# Altium PCB MAIN.PcbDoc (part 1 of 2)
Units mm, origin at the board's own origin, x right, y up, seen from the top; angles counter-clockwise.
Board outline 75 x 75 mm, 4 copper layers (L01 - GND, L02 - SIG, L03 - GND, L04 - SIG), stack 1.564 mm thick; 101 components, 97 nets, 439 pads, 291 vias.
Unrouted connection lines stored in the file: 115.
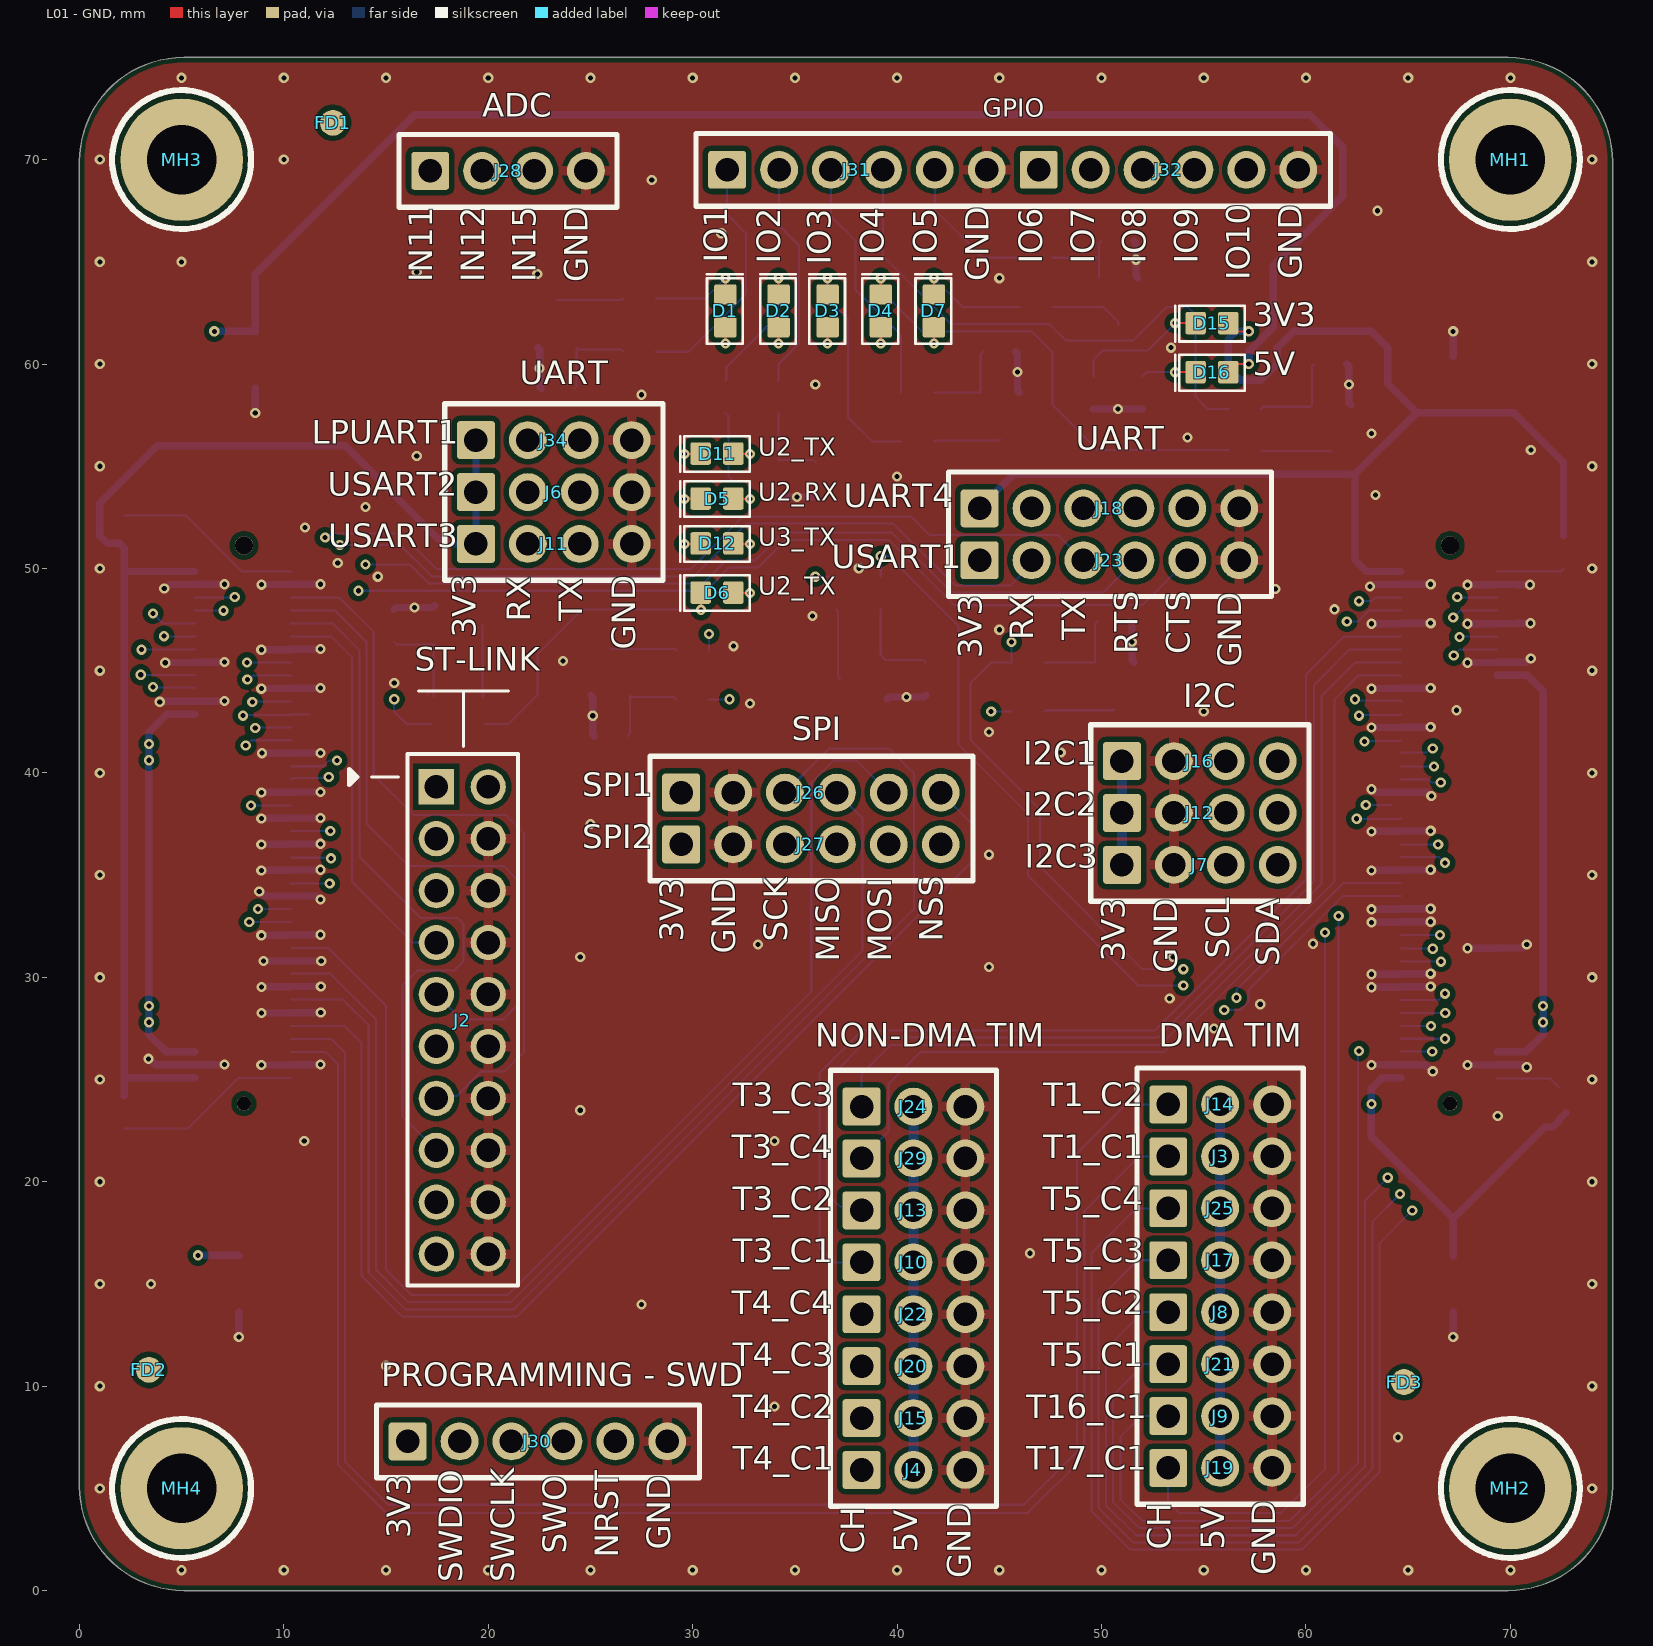
[diagram p0: L01 - GND view]
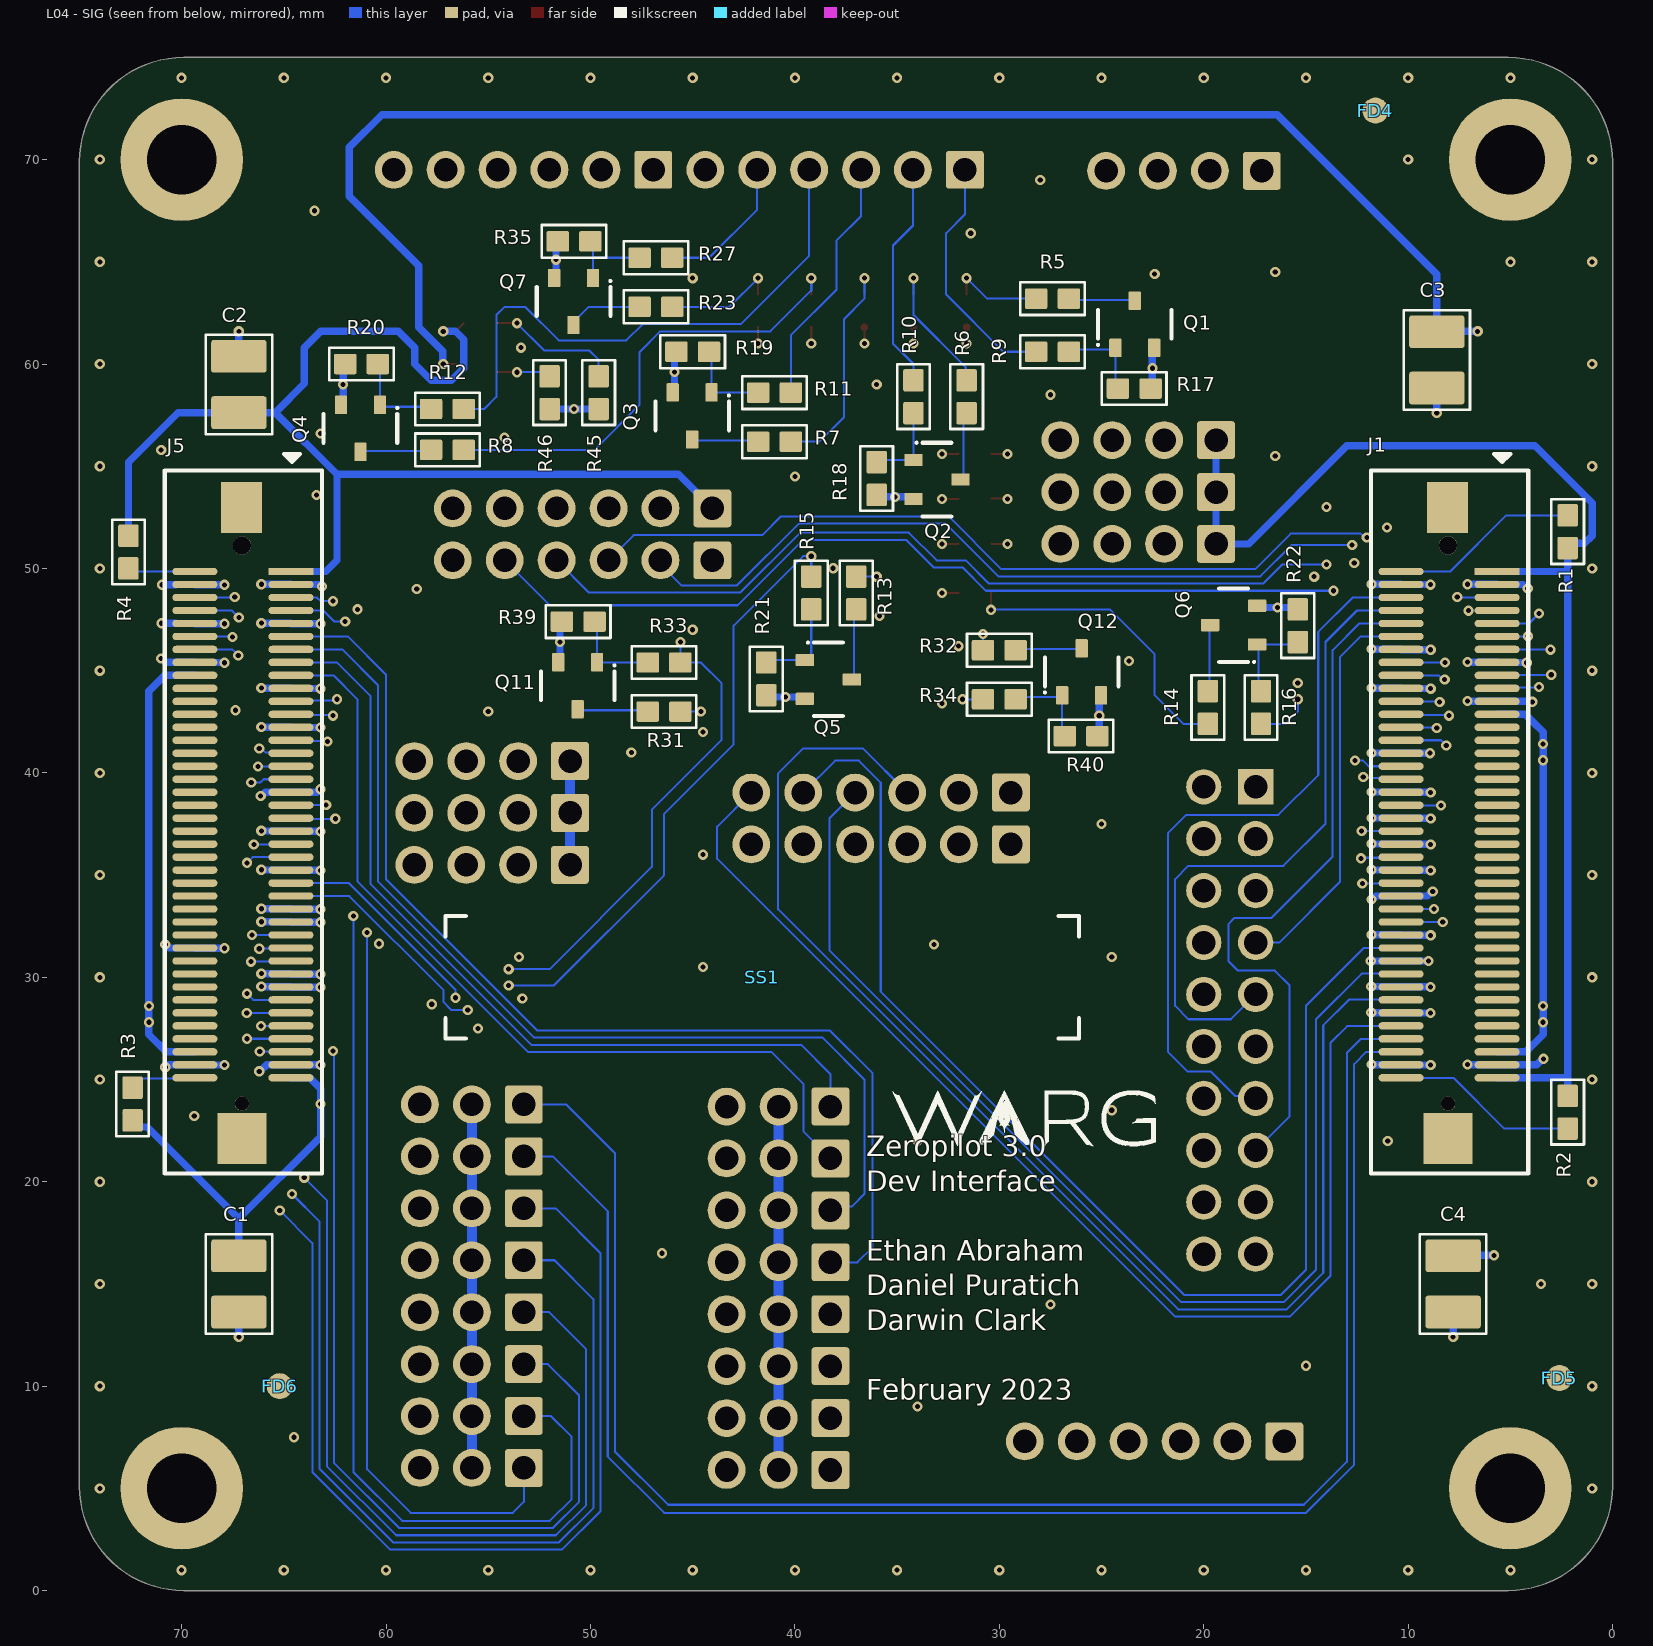
[diagram p1: L04 - SIG view, seen from below]
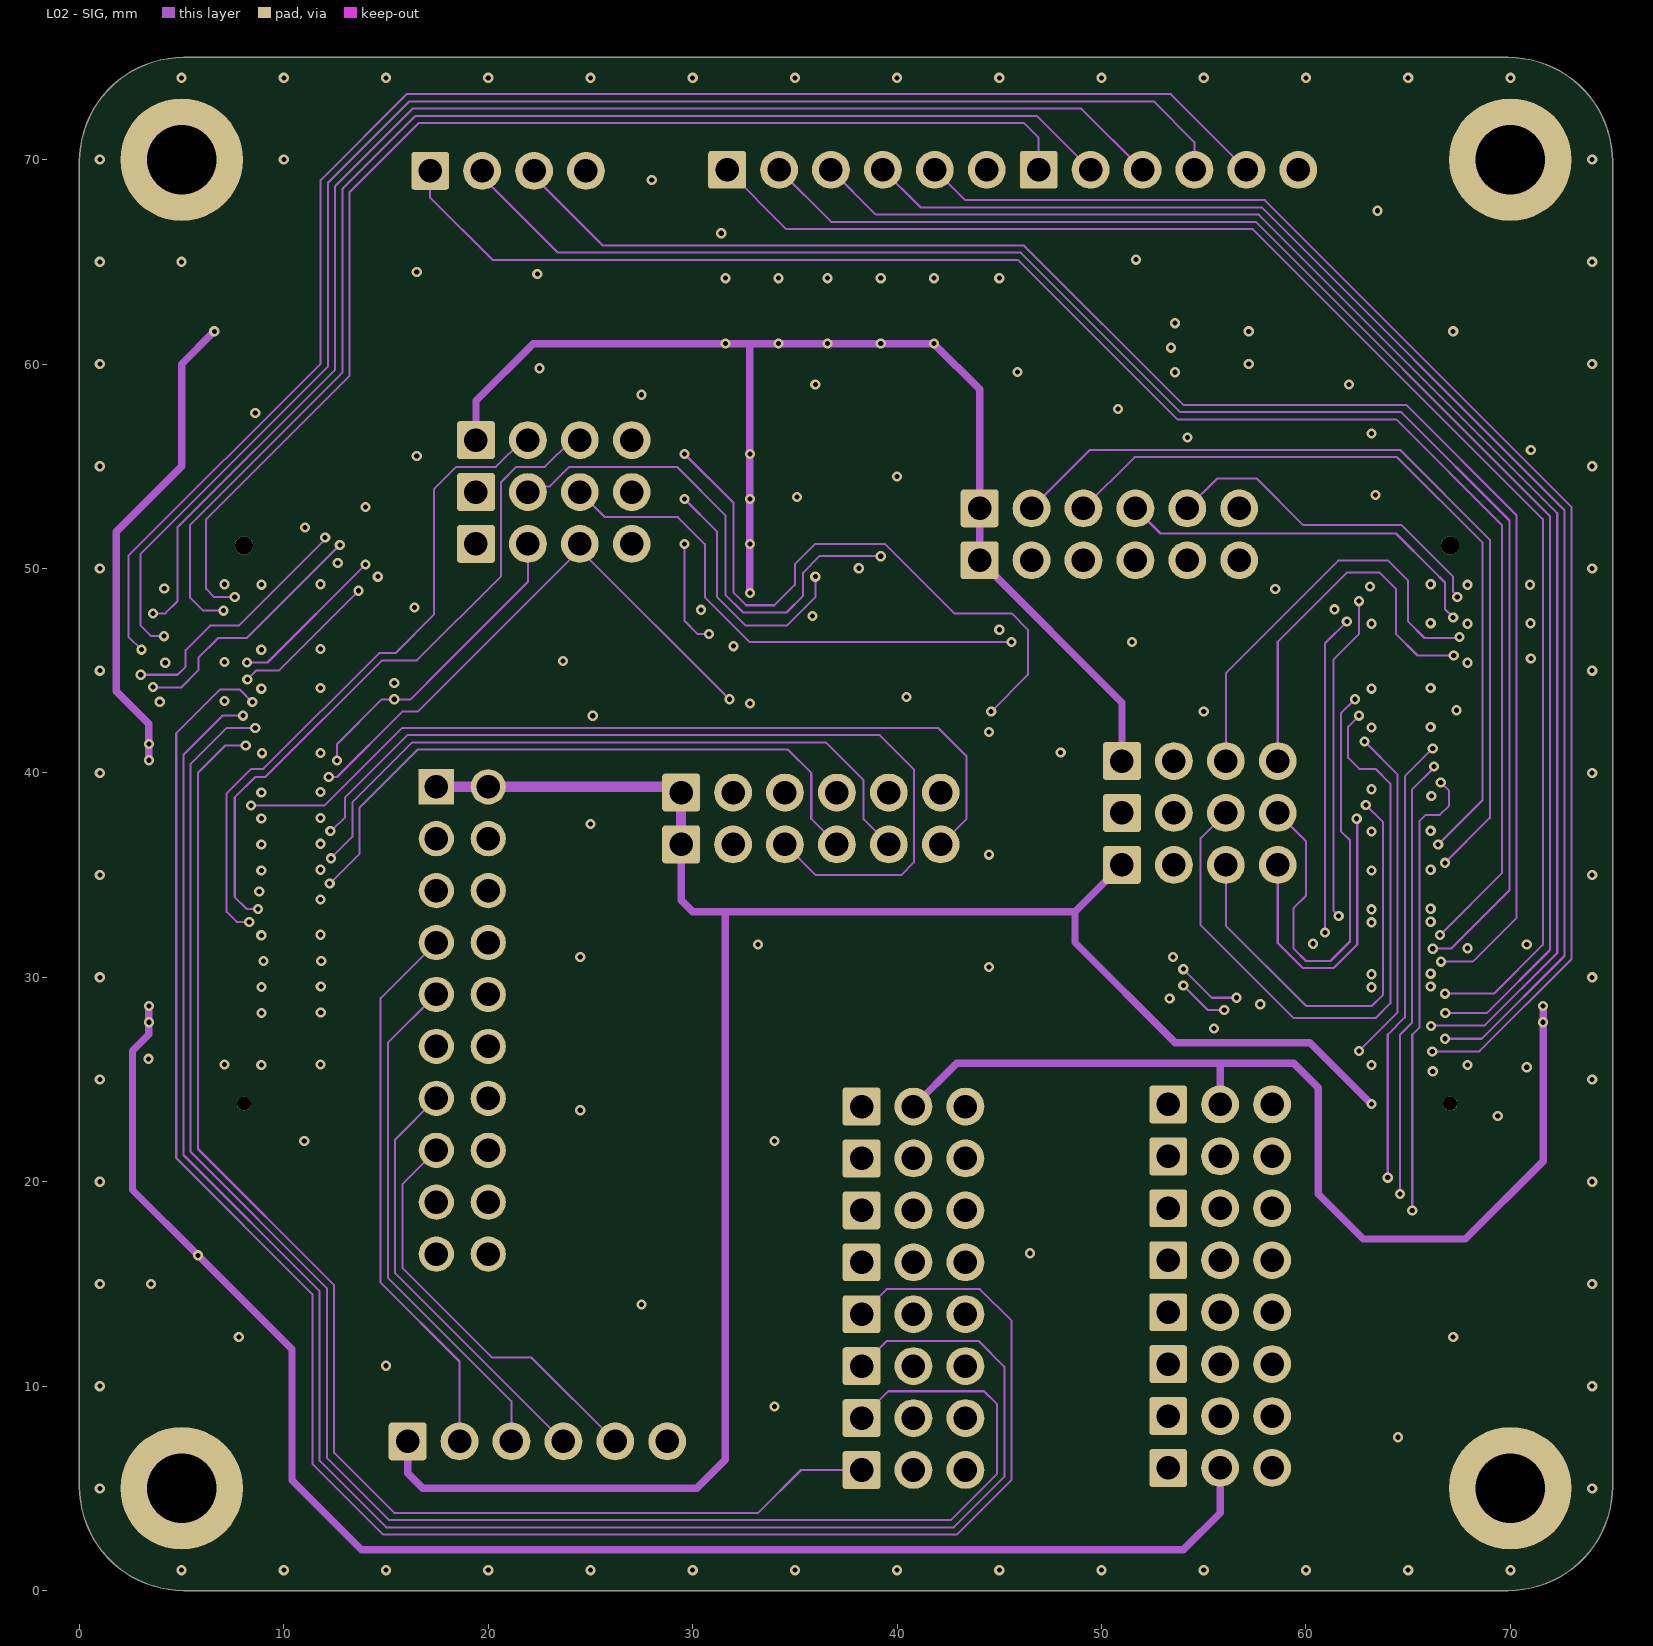
[diagram p2: L02 - SIG]
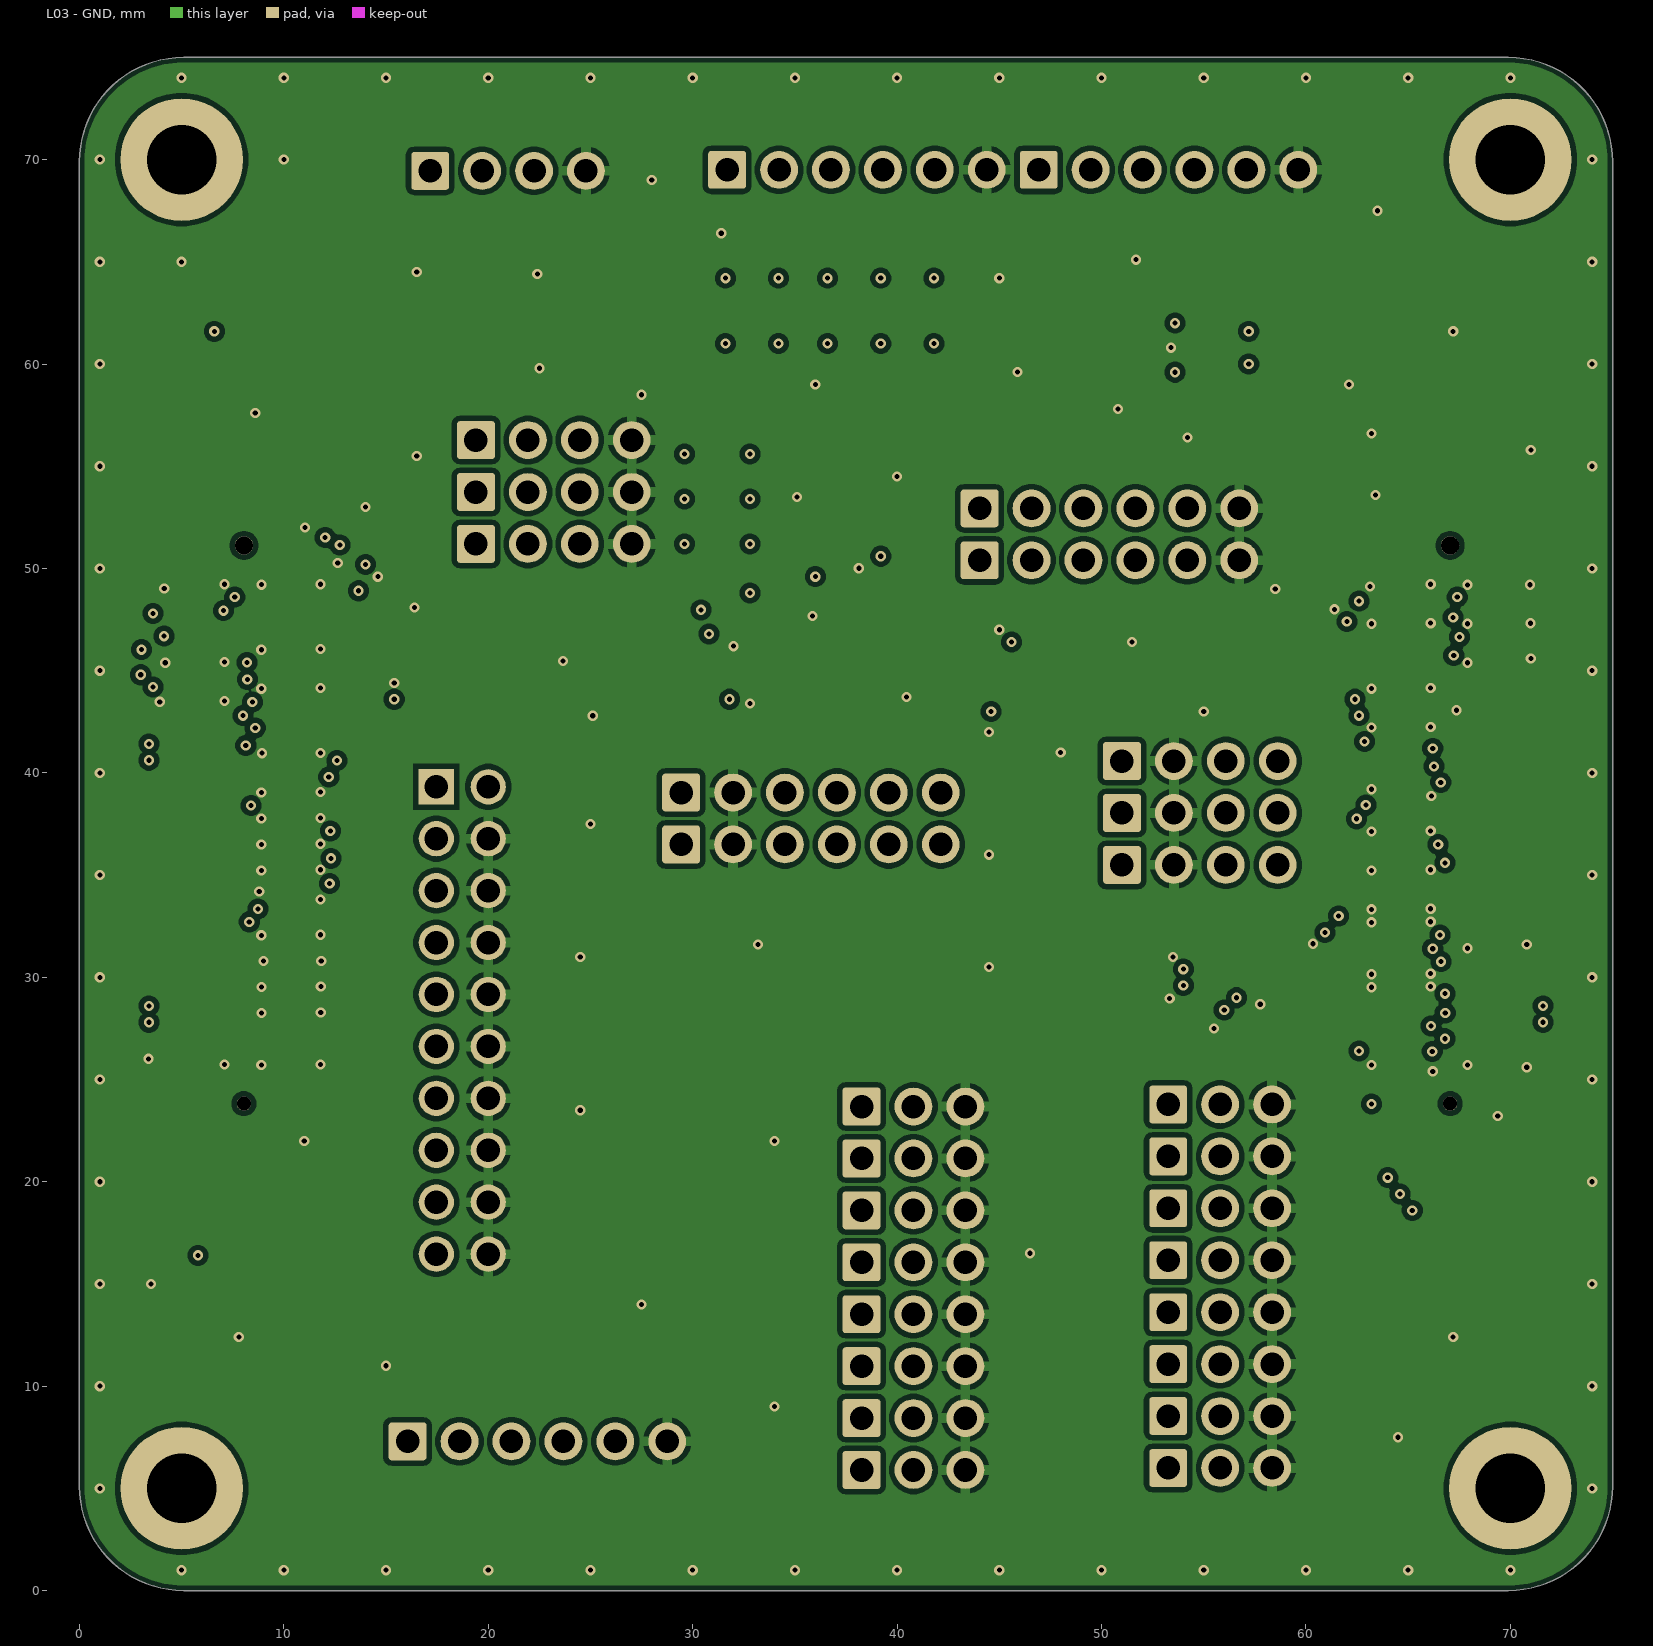
[diagram p3: L03 - GND]
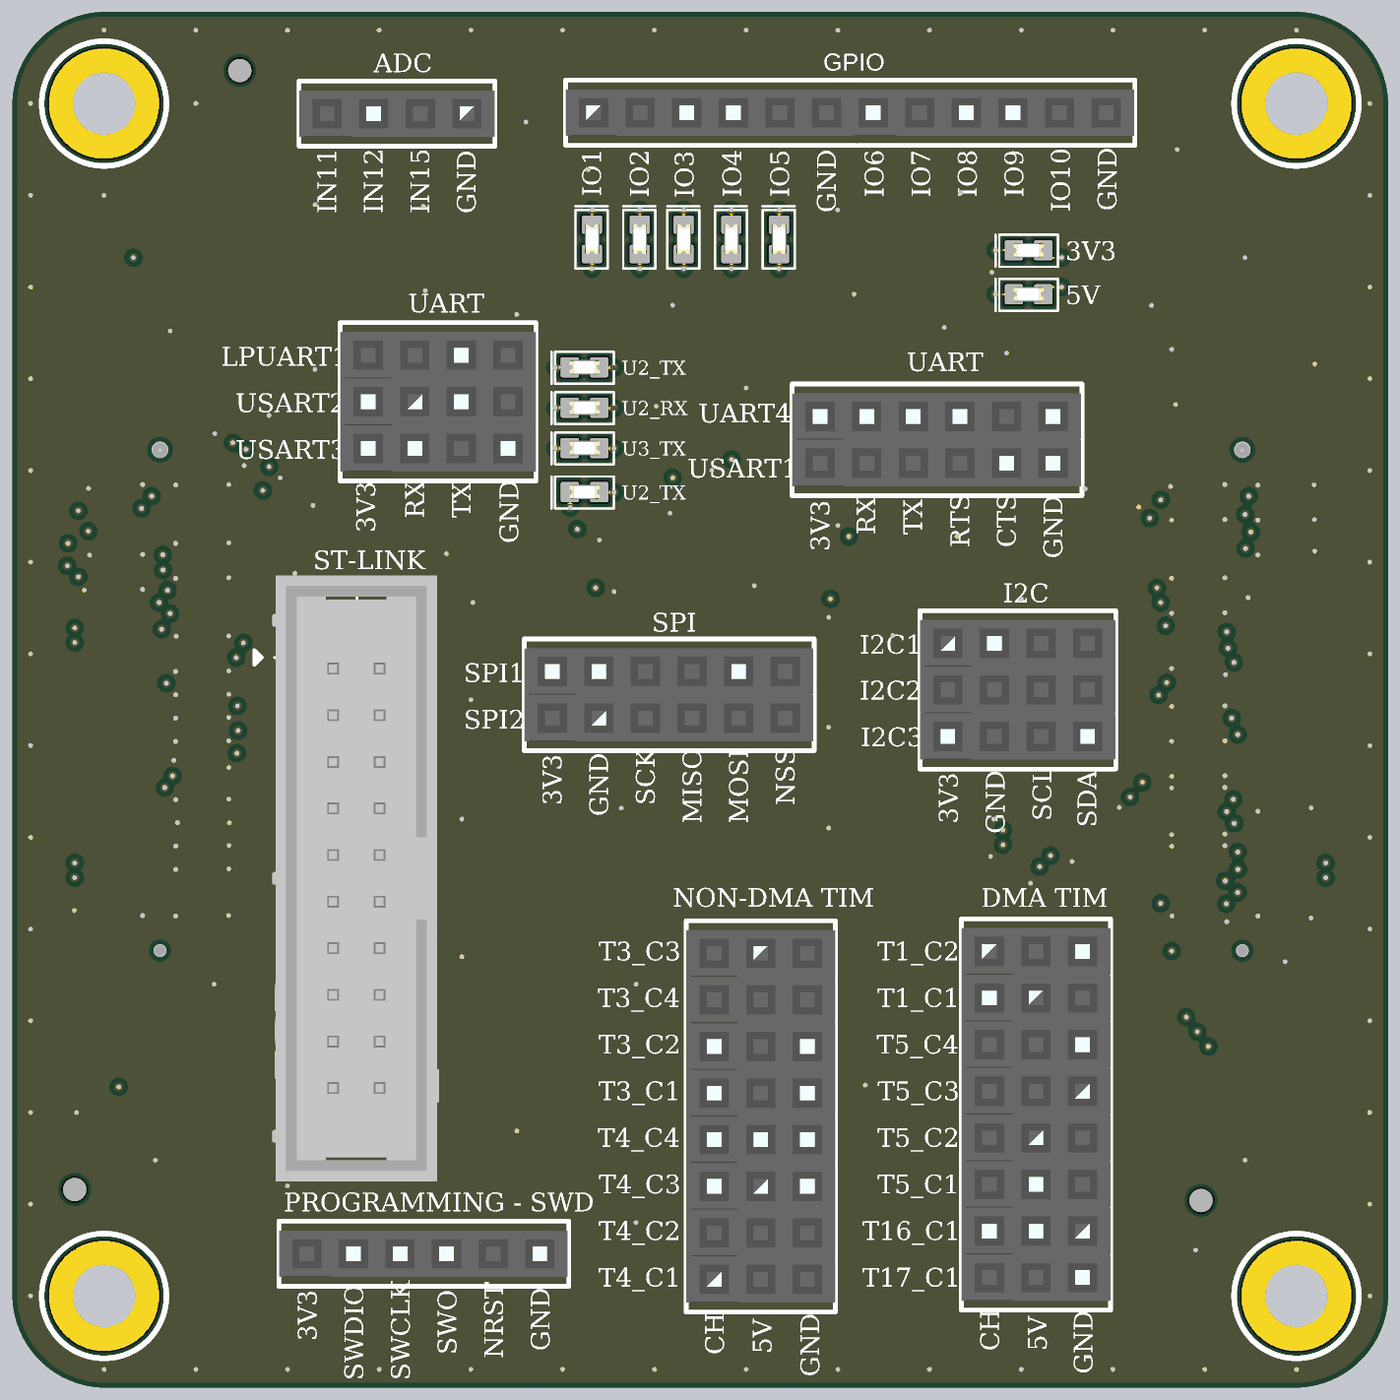
[diagram p5: 3D render of the assembled board from above, using the file's embedded part models]
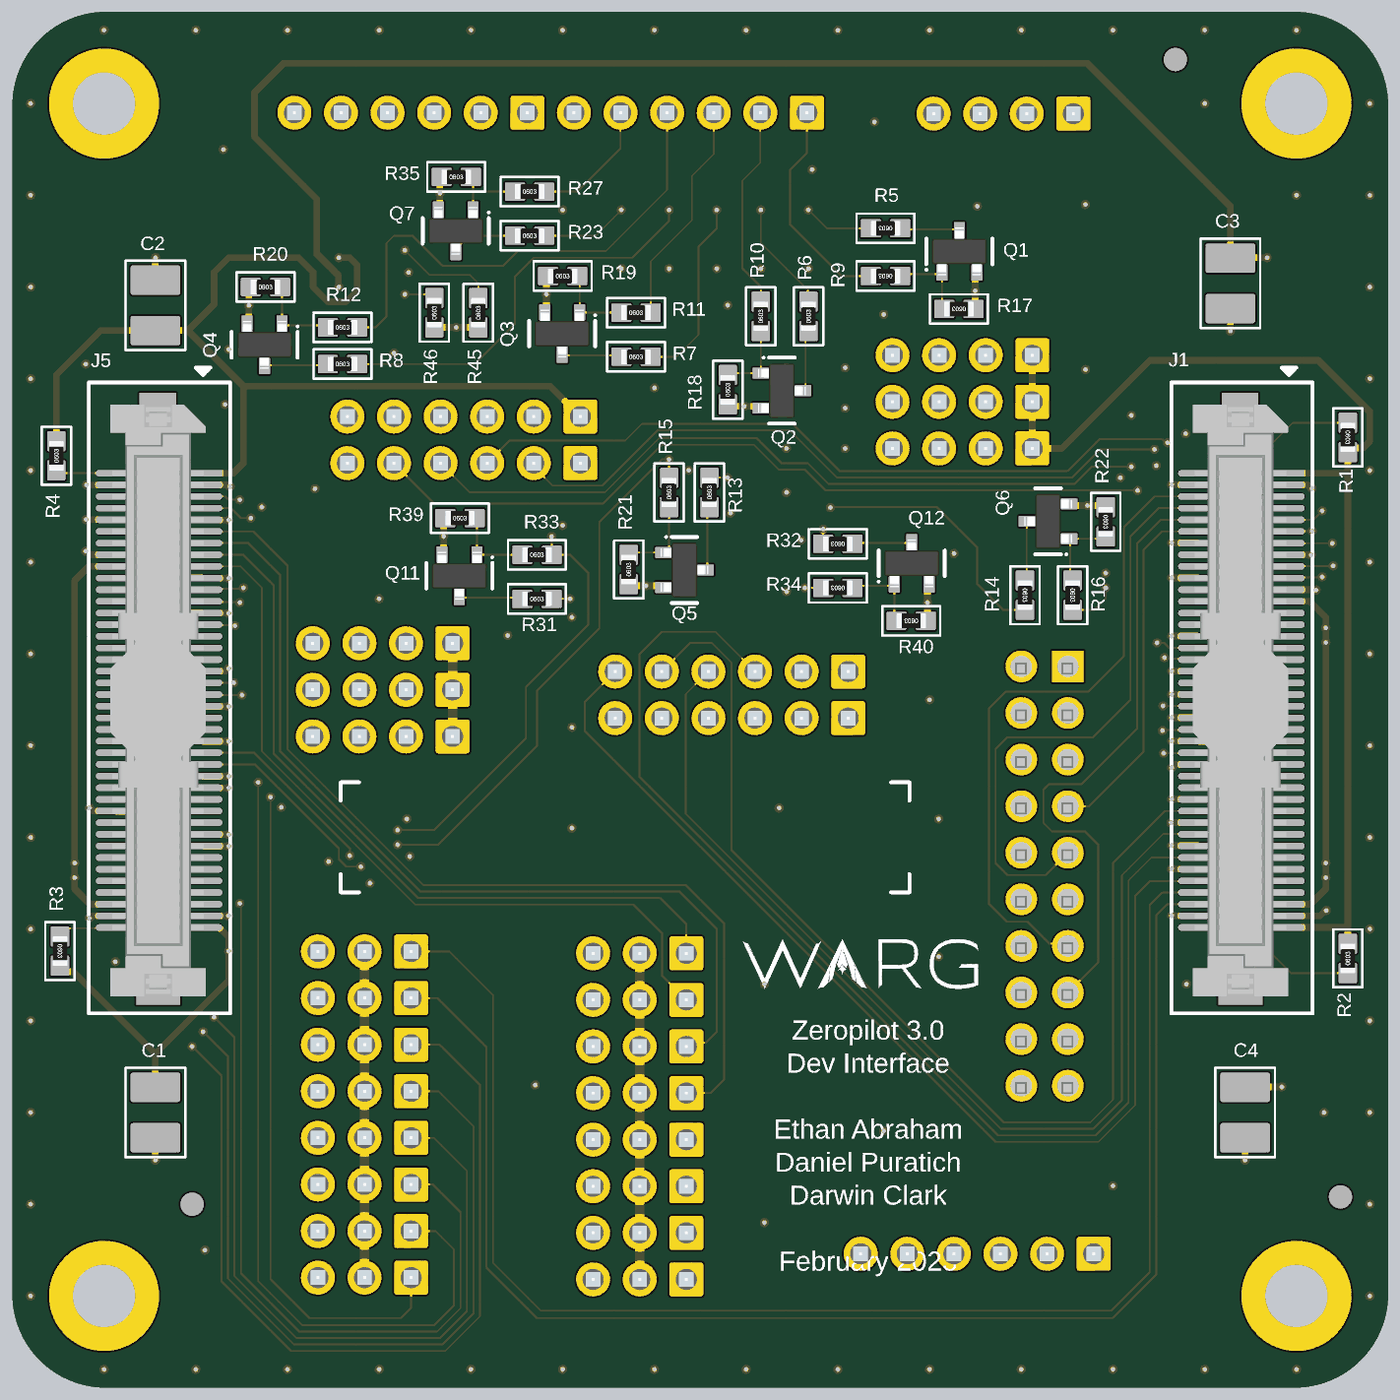
[diagram p6: 3D render of the assembled board from below, using the file's embedded part models]

## Layer stack, top to bottom
Top Solder: solder mask 0.02, Solder Resist, Dk 3.5
L01 - GND: signal copper 0.035
Dielectric 2: prepreg 0.0994, PP-006, Dk 4.1
L02 - SIG: signal copper 0.0152
Core: core 1.265, FR-4, Dk 4.8
L03 - GND: signal copper 0.0152
Dielectric 3: prepreg 0.0994, PP-006, Dk 4.1
L04 - SIG: signal copper 0.035
Bottom Solder: solder mask 0.02, Solder Resist, Dk 3.5

## Board outline
5.1,0 cw(c5.1,5.1) 0,5.1 0,69.9 cw(c5.1,69.9) 5.1,75 69.9,75 cw(c69.9,69.9) 75,69.9 75,5.1 cw(c69.9,5.1) 69.9,0
